# Altium PCB OZ440-SE110-CAR001.PcbDoc (part 2 of 2)
Units mm, origin at the board's own origin, x right, y up, seen from the top; angles counter-clockwise.
Board outline 181.1 x 89.8 mm, 4 copper layers (Top Layer, Mid-Layer 1, Mid-Layer 2, Bottom Layer), stack 1.448 mm thick; 81 components, 74 nets, 400 pads, 570 vias.
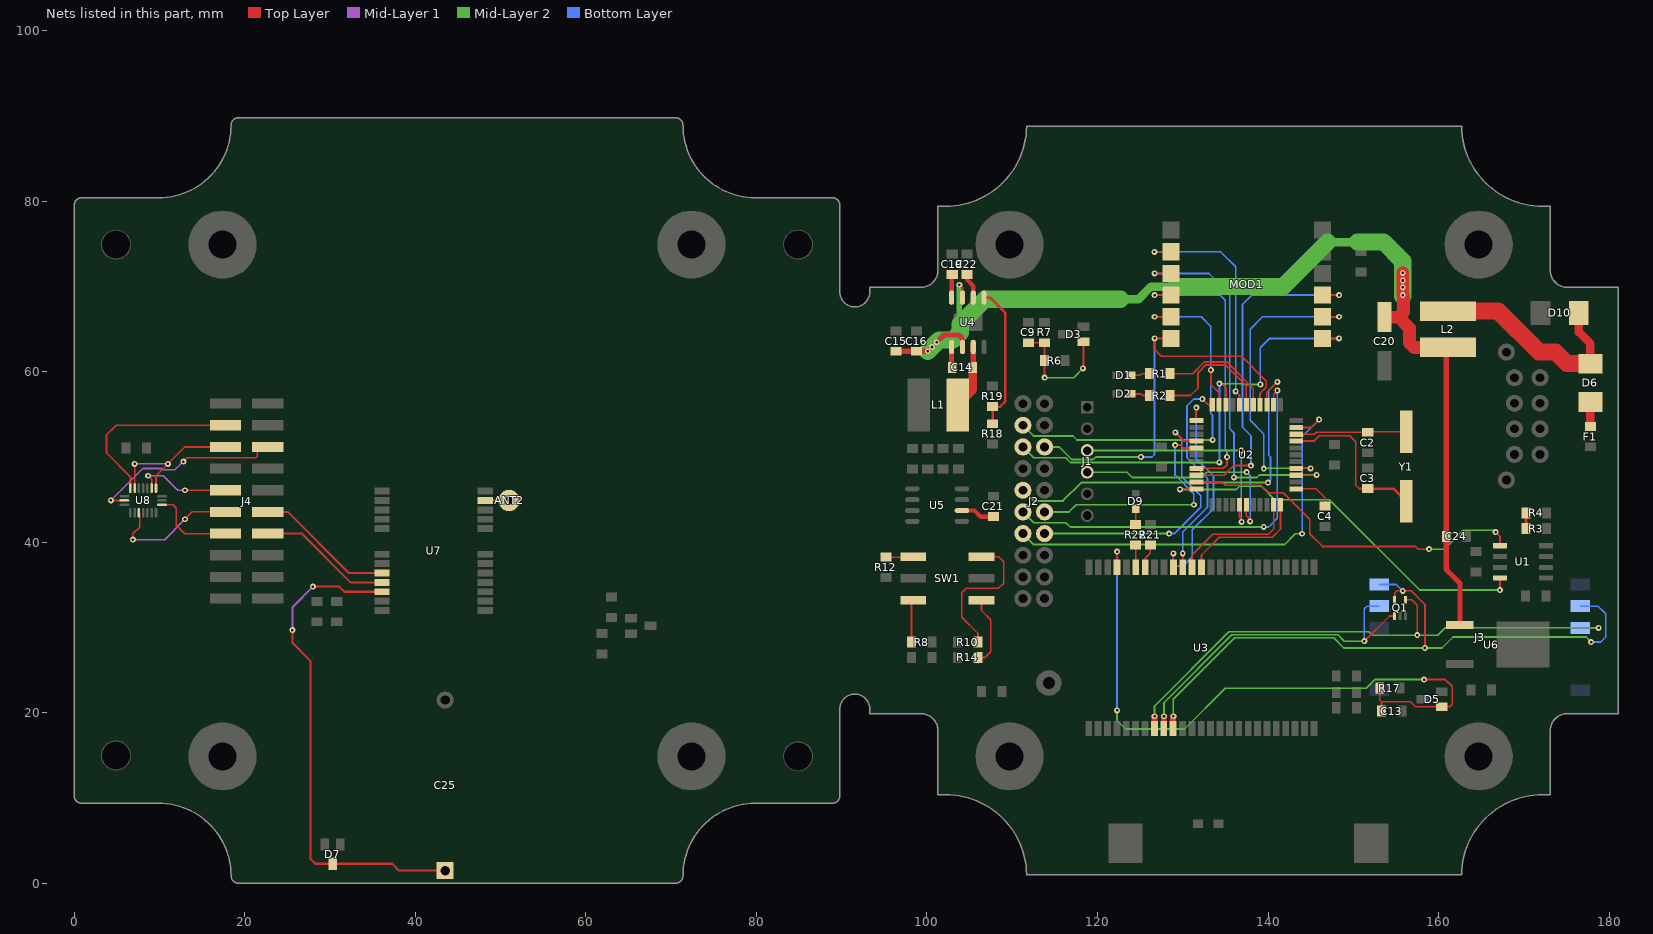
[diagram p4: the nets of this part, all layers, seen from the top]

## Via types
v1: diameter 0.7, hole 0.3, Top Layer to Bottom Layer, 444 vias
v2: diameter 0.7, hole 0.3, Top Layer to Bottom Layer, tented both sides, 74 vias
v3: diameter 0.7, hole 0.3, Top Layer to Bottom Layer, tented top, 39 vias
v4: diameter 0.8, hole 0.5, Top Layer to Bottom Layer, tented both sides, 12 vias
v5: diameter 0.6, hole 0.3, Top Layer to Bottom Layer, 1 vias

## Nets (pads, with @x,y where several pads share a name; then routed paths per layer and width w, separated by ;. In a path a pad name is that pad's centre, name@x,y a point inside that pad or via, vN(x,y) a via of type N, cw(c..) or ccw(c..) an arc to the next point about the centre after c; other vN are vias at no path point) (continued)
GSM_RESET_1: C13.2 D5.1 R17.1 U3.22 | length 77.6
  Top Layer w0.2: U3.22@122.3,37.06 v1(122.3,38.9) ; R17.1@153.1,22.9 153.1,21.5 153.3,21.3 ; C13.2@153.3,20.2 153.3,21.3 ; v1(158.3,23.9) 160.8,23.9 161.6,23.1 161.6,21 161.3,20.7 D5.1@160.375,20.7 157.3,20.7 156.7,21.3 153.3,21.3
  Mid-Layer 2 w0.2: v2(122.3,20.3) 122.3,19.1 123.3,18.1 130.2,18.1 135,22.9 151.5,22.9 152.5,23.9 v1(158.3,23.9)
  Bottom Layer w0.2: v2(122.3,20.3) v1(122.3,38.9)
IO_SIM_1: J3.C7 Q1.4 U3.33 | length 66.1
  Top Layer w0.2: Q1.4@156.15,33.25 156.85,33.25 157.5,32.6 v1(157.5,29.1)
  Top Layer w0.7: U3.33@126.675,18.16 126.675,19.575 v2(126.7,19.6)
  Mid-Layer 2 w0.2: v2(126.7,19.6) 126.7,20.8 135.4,29.5 151.8,29.5 152.2,29.1 v1(157.5,29.1) 159.9,29.1 160.772,29.972 v1(178.772,29.972)
  Bottom Layer w0.2: J3.C7@176.61,29.972 v1(178.772,29.972)
ISM_IRQ0_1: MOD1.4 U2.8 | length 33.6
  Top Layer w0.2: v1(126.7,68.986) MOD1.4@128.626,68.986 ; U2.8@131.615,48.667 134.767,48.667 135.2,49.1 v1(135.2,50)
  Bottom Layer w0.2: v1(126.7,68.986) 134.414,68.986 135,68.4 135,50.9 135.2,50.7 v1(135.2,50)
ISM_IRQ1_1: MOD1.9 U2.9 | length 39.9
  Top Layer w0.2: U2.9@131.615,47.867 134.867,47.867 136,49 v1(138,49) ; MOD1.9@146.406,68.986 v1(148.331,68.986)
  Bottom Layer w0.2: v1(138,49) 138,52.5 137,53.5 137,67.9 138.086,68.986 v1(148.331,68.986)
ISM_RESET_1: MOD1.2 U2.40 | length 28.6
  Top Layer w0.2: v1(126.675,74.066) MOD1.2@128.626,74.066 ; v1(136.2,57.7) 136.235,57.7 136.665,57.27 U2.40@136.665,56.117
  Bottom Layer w0.2: v1(126.675,74.066) 134.434,74.066 136.2,72.3 v1(136.2,57.7)
NetANT2_1: ANT2.1 U7.11 | length 2.8
  Top Layer w0.3: U7.11@48.2,44.904 ANT2.1@50.996,44.904
NetC2_2: C2.2 U2.31 Y1.2 | length 13
  Top Layer w0.2: U2.31@143.315,52.667 145.441,52.667 145.675,52.9 C2.2@151.7,52.9 151.75,52.95 Y1.2@156.2,52.95
NetC3_2: C3.2 U2.30 Y1.1 | length 19.3
  Top Layer w0.2: U2.30@143.315,51.867 145.367,51.867 146,52.5 149.6,52.5 150.3,51.8 150.3,46.667 150.667,46.3 C3.2@151.7,46.3
  Top Layer w0.3: C3.2@151.7,46.3 154.7,46.3 Y1.1@156.2,44.8
NetC4_1: C4.1 U2.23 | length 4.8
  Top Layer w0.2: U2.23@143.315,46.267 145.633,46.267 146.7,45.2 C4.1@146.7,44.249
NetC9_2: C9.2 D3.1 R6.1 R7.1 | length 14.1
  Top Layer w0.2: C9.2@111.9,63.4 R7.1@113.8,63.4 R6.1@113.8,61.3 v1(113.8,59.3) ; v1(118.3,60.4) 118.375,60.475 D3.1@118.375,63.5
  Mid-Layer 2 w0.2: v1(113.8,59.3) 117.2,59.3 v1(118.3,60.4)
NetC14_1: C14.1 U4.1 | length 2.4
  Top Layer w0.6: U4.1@102.9,62.9 102.9,60.57 C14.1@102.97,60.5
NetC14_2: C14.2 L1.1 U4.3 | length 7.5
  Top Layer w0.6: C14.2@105.44,60.57 U4.3@105.44,62.9
  Top Layer w1: L1.1@103.6,56.1 105.37,57.87 C14.2@105.37,60.5
NetC15_1: C15.1 C16.1 C20.1 C24.2 L2.2 U4.2 U4.7 U6.1 | length 135
  Top Layer w0.3: v1(103.8,70.2) 104.17,69.83 U4.7@104.17,68.7
  Top Layer w0.6: C15.1@96.4,62.4 C16.1@98.8,62.4 v1(100.1,62.4) v1(101.15,63.45) 102,64.3 103.5,64.3 cw(c103.5,63.63) 104.17,63.63 U4.2@104.17,62.9 ; L2.2@160.7,62.85 L2.2@160.9,62.65 ; L2.2@161.1,62.85 L2.2@160.9,62.65 ; U6.1@162.5,30.3 162.5,35.2 160.9,36.8 C24.2@160.9,40.7 L2.2@160.9,62.65
  Top Layer w1.5: C20.1@153.66,66.4 155.3,66.4 ; v1(155.8,68.986) v1(155.8,69.9) v1(155.8,70.7) v1(155.8,71.6) ; v1@155.9,68.886 155.9,67 155.3,66.4 ; L2.2@160.7,62.85 157.134,62.85 156.6,63.384 156.6,65.1 155.3,66.4
  Mid-Layer 2 w0.6: v1(101.15,63.45) 102.55,63.45 102.8,63.7 103.8,64.7 v1(103.8,70.2)
  Mid-Layer 2 w1: 122.7,68.5 124.799,68.5 126.286,69.986 129.186,69.986 ; 147,75.2 150.5,75.2
  Mid-Layer 2 w2: v1(100.1,62.4) v1(101.15,63.45) 101.4,63.7 102.8,63.7 103.031,63.7 103.91,64.579 103.91,65.61 106.8,68.5 122.7,68.5 ; 129.186,69.986 141.786,69.986 147,75.2 ; 150.5,75.2 153.561,75.2 155.8,72.961 v1(155.8,71.6) v1(155.8,70.7) v1(155.8,69.9) v1(155.8,68.986) v1@155.8,68.9
  other v1: 100.6,62.9
NetC19_2: C19.2 U4.8 | length 2.7
  Top Layer w0.5: U4.8@102.9,68.7 102.9,71.33 C19.2@102.97,71.4
NetC21_2: C21.2 U5.6 | length 4
  Top Layer w0.5: U5.6@104.1,43.727 105.573,43.727 106.3,43 C21.2@107.8,43
NetC22_2: C22.2 U4.6 | length 3
  Top Layer w0.5: C22.2@104.7,71.4 104.7,70.8 105.44,70.06 U4.6@105.44,68.7
NetC25_1: C25.1 D7.3 U7.22 | length 58.5
  Top Layer w0.25: v1(25.6,29.7) 25.6,28.2 27.7,26.1 27.7,2.9 28.3,2.3 D7.3@30.3,2.3 37.3,2.3 38.1,1.5 C25.1@43.5,1.5 ; v1(28,34.8) 31.1,34.8 31.7,34.2 U7.22@36.1,34.2
  Mid-Layer 1 w0.25: v1(25.6,29.7) 25.6,32.4 v1(28,34.8)
NetD1_1: D1.1 R1.2 | length 2.2
  Top Layer w0.2: D1.1@124,59.59 124.99,59.59 125.179,59.779 R1.2@126.1,59.779
NetD2_1: D2.1 R2.2 | length 2.2
  Top Layer w0.2: D2.1@124,57.4 125.1,57.4 125.289,57.211 R2.2@126.1,57.211
NetD6_A: D6.A F1.2 | length 2.8
  Top Layer w1: F1.2@177.8,53.6 D6.A@177.8,56.45
NetD6_K: D6.K D10.K L2.1 | length 25.8
  Top Layer w1: D10.K@176.45,66.9 176.45,64.65 177.8,63.3 D6.K@177.8,60.95
  Top Layer w2: L2.1@161.1,67.1 167,67.1 171.8,62.3 173.7,62.3 175.05,60.95 D6.K@177.8,60.95
NetD9_1: D9.1 R22.1 | length 1.8
  Top Layer w0.2: R22.1@124.5,42.125 D9.1@124.5,43.9
NetR1_1: R1.1 U2.38 | length 13.5
  Top Layer w0.2: R1.1@128.5,59.779 131.184,59.779 132.555,61.15 135.145,61.15 138.265,58.03 U2.38@138.265,56.117
NetR2_1: R2.1 U2.39 | length 14.7
  Top Layer w0.2: R2.1@128.5,57.211 130.911,57.211 131.8,58.1 131.8,59.9 132.7,60.8 135,60.8 137.465,58.335 U2.39@137.465,56.117
NetR3_1: R3.1 R4.2 | length 1.8
  Top Layer w0.3: R3.1@170.25,41.604 R4.2@170.25,43.454
NetR8_1: R8.1 SW1.8 | length 5.3
  Top Layer w0.2: R8.1@98.415,28.515 R8.1@98.2,28.3 98.2,33.005 SW1.8@98.415,33.22
NetR10_1: R10.1 SW1.4 | length 17.3
  Top Layer w0.2: R10.1@106,28.3 106,29.3 104.1,31.2 104.1,34.1 104.6,34.6 108.4,34.6 109,35.2 109,37.7 108.4,38.3 SW1.4@106.4,38.3
NetR12_1: R12.1 SW1.2 | length 3.2
  Top Layer w0.2: R12.1@95.2,38.26 SW1.2@98.375,38.26
NetR14_1: R14.1 SW1.1 | length 8.3
  Top Layer w0.2: R14.1@106,26.5 106.826,26.5 107.5,27.174 107.5,30.9 106.4,32 SW1.1@106.4,33.22
NetR18_1: R18.1 R19.2 U4.5 | length 17.4
  Top Layer w0.3: U4.5@106.71,68.7 107.4,68.7 109.2,66.9 109.2,56.5 108.6,55.9 R19.2@107.7,55.9 R18.1@107.7,53.9
NetR21_1: R21.1 U3.19 | length 2.9
  Top Layer w0.2: U3.19@125.6,37.06 125.6,38.125 126.2,38.725 R21.1@126.2,39.7
NetR22_2: R22.2 U3.20 | length 2.6
  Top Layer w0.2: U3.20@124.475,37.085 R22.2@124.475,39.7
PGC_1: J1.3 U2.16 | length 28.5
  Top Layer w0.2: U2.16@136.665,44.417 136.665,43.1 v1(136.9,42.4)
  Mid-Layer 2 w0.2: J1.3@118.8,50.76 v1(136.86,50.76)
  Bottom Layer w0.2: v1(136.86,50.76) 136.86,42.44 v1(136.9,42.4)
PGD_1: J1.4 U2.17 | length 27.3
  Top Layer w0.2: U2.17@137.465,44.417 137.465,43.135 137.9,42.7 v1(137.9,42.457)
  Mid-Layer 2 w0.2: J1.4@118.8,48.22 123.47,48.22 124.09,47.6 132.19,47.6 132.81,48.22 v1@137.48,48.22
  Bottom Layer w0.2: v1(137.5,48.22) 137.9,47.82 v1(137.9,42.457)
RST_SIM_1: J3.C2 Q1.1 U3.34 | length 40.6
  Top Layer w0.2: v1(151.3,28.4) 154.25,31.35 Q1.1@154.85,31.35
  Top Layer w0.7: U3.34@127.775,18.16 127.775,19.575 v2(127.8,19.6)
  Mid-Layer 2 w0.2: v2(127.8,19.6) 127.8,21.2 135.75,29.15 148.2,29.15 148.95,28.4 v1(151.3,28.4)
  Bottom Layer w0.2: v1(151.3,28.4) 151.3,32.2 151.612,32.512 J3.C2@153.06,32.512
RX_CAN_1: U1.4 U2.11 | length 46.1
  Top Layer w0.2: v1(129.68,46.2) 129.7,46.2 129.767,46.267 U2.11@131.615,46.267 ; v1(167.2,34.4) U1.4@167.2,35.79
  Mid-Layer 2 w0.2: v1(129.68,46.2) 136.3,46.2 136.7,46.6 139.2,46.6 140.8,45 147.2,45 157.8,34.4 v1(167.2,34.4)
SPI_CS_ACCEL_1: J2.12 U2.36 | length 45.8
  Top Layer w0.2: U2.36@139.865,56.117 139.865,57.565 v1(141.1,58.8)
  Mid-Layer 2 w0.2: J2.12@111.26,46.1 112.51,44.85 115.95,44.85 118.1,47 v1(140,47)
  Bottom Layer w0.2: v1(140,47) 140.3,47.3 140.3,50.006 140.1,50.206 140.1,57.8 v1(141.1,58.8)
SPI_CS_ACCEL_MEZZ_1: J4.12 U8.16 | length 10.2
  Top Layer w0.15: v1(8.684,47.8) 9.1,47.384 U8.16@9.1,46.354 ; v1(13,46.1) J4.12@16.537,46.1
  Mid-Layer 1 w0.15: v1(8.684,47.8) 10.456,47.8 12.156,46.1 v1(13,46.1)
SPI_CS_GYRO_1: J2.10 U2.35 | length 47.8
  Top Layer w0.2: U2.35@140.665,56.117 140.665,57.365 v1(141.1,57.8)
  Mid-Layer 2 w0.2: J2.10@111.26,43.56 112.52,42.3 116.3,42.3 116.8,41.8 v1(139.5,41.8)
  Bottom Layer w0.2: v1(139.5,41.8) 140.1,41.8 141.1,42.8 v1(141.1,57.8)
SPI_CS_GYRO_MEZZ_1: J4.10 U8.5 | length 14.5
  Top Layer w0.15: v1(6.9,40.3) 6.9,41 7.675,41.775 7.675,43.379 U8.5@7.6,43.454 ; v1(13,42.7) 13.861,43.561 J4.10@16.538,43.561
  Mid-Layer 1 w0.15: v1(6.9,40.3) 10.6,40.3 v1(13,42.7)
SPI_CS_ISM_CON_1: MOD1.3 U2.25 | length 45.7
  Top Layer w0.2: v1(126.7,71.526) MOD1.3@128.626,71.526 ; U2.25@143.315,47.867 145.667,47.867 v1(145.7,47.9)
  Mid-Layer 2 w0.2: v1(136,47.6) 138.7,47.6 139,47.9 v1(145.7,47.9)
  Bottom Layer w0.2: v1(126.7,71.526) 133.074,71.526 135.5,69.1 135.5,53.35 136,52.85 v1(136,47.6)
SPI_CS_ISM_DAT_1: MOD1.8 U2.26 | length 37.2
  Top Layer w0.2: U2.26@143.315,48.667 v1(145,48.667) ; MOD1.8@146.406,66.446 v1(148.331,66.446)
  Mid-Layer 2 w0.2: v1(139.5,48.641) 139.526,48.667 v1(145,48.667)
  Bottom Layer w0.2: v1(139.5,48.641) 139.5,52.7 137.9,54.3 137.9,65 139.346,66.446 v1(148.331,66.446)
SPI_CS_MAGNET_1: J2.8 U2.32 | length 51.1
  Top Layer w0.2: U2.32@143.315,53.467 145.067,53.467 v1(146,54.4)
  Mid-Layer 2 w0.2: J2.8@111.26,41.02 112.55,39.73 141.93,39.73 143.2,41 v1(144,41)
  Bottom Layer w0.2: v1(144,41) 144,52.4 v1(146,54.4)
SPI_CS_MAGNET_MEZZ_1: J4.8 U8.20 | length 8.8
  Top Layer w0.15: U8.20@10.3,44.404 11.596,44.404 12,44 12,42 12.979,41.021 J4.8@16.538,41.021
SPI_MISO_1: J2.16 MOD1.7 U2.42 | length 56.8
  Top Layer w0.2: v1(134.3,58.6) 134.6,58.6 135.065,58.135 U2.42@135.065,56.117 ; MOD1.7@146.406,63.906 v1(148.331,63.906)
  Mid-Layer 2 w0.2: J2.16@111.26,51.18 112.54,49.9 116.299,49.9 116.836,49.363 134.3,49.363 v1(134.3,49.367) ; v1(134.3,58.6) 137.1,58.6 137.2,58.5 v1(139.1,58.5)
  Bottom Layer w0.2: v1(134.3,49.367) v1(134.3,58.6) ; v1(139.1,58.5) 139.1,62.8 140.206,63.906 v1(148.331,63.906)
SPI_MISO_MEZZ_1: J4.16 U8.12 U8.17 | length 16.5
  Top Layer w0.2: U8.12@7.1,46.354 v1(7.1,49.2) ; U8.17@9.6,46.354 9.6,47.8 v1(11,49.2) 12.981,51.181 J4.16@16.538,51.181
  Mid-Layer 1 w0.2: v1(7.1,49.2) v1(11,49.2)
SPI_MOSI_1: J2.18 MOD1.5 U2.43 | length 49.8
  Top Layer w0.2: v1(126.7,66.446) MOD1.5@128.626,66.446 ; v1(133.3,60.2) 133.3,58.5 134.265,57.535 U2.43@134.265,56.117
  Mid-Layer 2 w0.2: J2.18@111.26,53.72 112.51,52.47 117.13,52.47 117.6,52 v1(133.5,52)
  Bottom Layer w0.2: v1(126.7,66.446) 132.154,66.446 133.3,65.3 v1(133.3,60.2) 133.3,55.1 133.5,54.9 v1(133.5,52)
SPI_MOSI_MEZZ_1: J4.18 U8.11 | length 20.6
  Top Layer w0.2: U8.11@6.6,46.354 6.6,47.684 3.8,50.484 3.8,52.6 4.921,53.721 J4.18@16.538,53.721
SPI_SCK_1: J2.15 MOD1.6 U2.37 | length 48.3
  Top Layer w0.2: MOD1.6@128.626,63.906 v1(126.7,63.906) 126.7,62.6 127.5,61.8 136.9,61.8 139.8,58.9 139.8,58.2 139.065,57.465 U2.37@139.065,56.117
  Mid-Layer 2 w0.2: J2.15@113.8,51.18 115.514,51.18 116.981,49.713 119.5,49.713 119.787,50 v1(125.1,50)
  Bottom Layer w0.2: v1(125.1,50) 126.4,50 126.7,50.3 v1(126.7,63.906)
SPI_SCK_MEZZ_1: J4.15 U8.9 | length 22.2
  Top Layer w0.2: v1(4.3,44.904) U8.9@5.9,44.904 ; v1(12.8,49.467) 13.233,49.9 21.3,49.9 21.488,50.088 J4.15@21.488,51.181
  Mid-Layer 1 w0.2: v1(4.3,44.904) 8.045,48.649 10.251,48.649 10.4,48.5 11.833,48.5 v1(12.8,49.467)
TX_CAN_1: U1.1 U2.10 | length 42.9
  Top Layer w0.2: U2.10@131.615,47.067 134.633,47.067 135,46.7 139.167,46.7 140.067,45.8 141.8,45.8 144.9,42.7 144.9,41 146.4,39.5 157.3,39.5 157.6,39.2 v1(158.9,39.2) ; v1@166.8,41.3 v1(166.7,41.2) 167.2,40.7 U1.1@167.2,39.6
  Mid-Layer 2 w0.2: v1(158.9,39.2) 160.7,39.2 162.9,41.4 166.4,41.4 166.8,41 166.8,41.3 v1(166.7,41.2)
USART1_CTS_1: U2.21 U3.14 | length 15.1
  Top Layer w0.2: U3.14@131.1,37.06 131.1,38.525 133.525,40.95 140.05,40.95 140.665,41.565 U2.21@140.665,44.417
USART1_RTS_1: U2.22 U3.13 | length 14.8
  Top Layer w0.2: U3.13@132.2,37.06 132.2,38.5 134.3,40.6 140.5,40.6 141.465,41.565 U2.22@141.465,44.417
USART1_RX_1: U2.1 U3.16 | length 26.5
  Top Layer w0.2: U3.16@128.9,37.06 v1(128.9,38.7) ; v1(131.6,55.8) 131.6,54.281 U2.1@131.615,54.267
  Bottom Layer w0.2: v1(128.9,38.7) 128.9,37.6 129.3,37.2 130,37.2 131.1,38.3 131.1,41.449 133.6,43.949 133.6,47.8 131.6,49.8 v1(131.6,55.8)
USART1_TX_1: U2.44 U3.15 | length 24.7
  Top Layer w0.2: U3.15@130,37.06 v2(130,38.7) ; v1(132.3,56.8) 132.983,56.117 U2.44@133.465,56.117
  Bottom Layer w0.2: v2(130,38.7) 130,41.2 132.9,44.1 132.9,47.5 130.5,49.9 130.5,56 131.3,56.8 v1(132.3,56.8)
USART2_RX_1: J2.9 U2.5 | length 28.4
  Top Layer w0.2: v1(129.1,51.4) 129.68,51.4 130.013,51.067 U2.5@131.615,51.067
  Mid-Layer 2 w0.2: J2.9@113.8,43.56 116.66,43.56 117.5,44.4 v1(131.3,44.4)
  Bottom Layer w0.2: v1(129.1,51.4) 129.1,47.9 131.3,45.7 v1(131.3,44.4)
USART2_RX_MEZZ_1: J4.9 U7.20 | length 17.6
  Top Layer w0.25: J4.9@21.488,43.561 25.039,43.561 32.2,36.4 U7.20@36.1,36.4
USART2_TX_1: J2.7 U2.4 | length 32.5
  Top Layer w0.2: v1(129.139,52.9) 130.173,51.867 U2.4@131.615,51.867
  Mid-Layer 2 w0.2: J2.7@113.8,41.02 v1(128.4,41.02)
  Bottom Layer w0.2: v1(128.4,41.02) 129.02,41.02 132.1,44.1 132.1,45.475 129.9,47.675 129.9,52.139 v1(129.139,52.9)
USART2_TX_MEZZ_1: J4.7 U7.21 | length 17
  Top Layer w0.25: J4.7@21.488,41.021 26.679,41.021 32.4,35.3 U7.21@36.1,35.3
VSIM_1: J3.C1 J3.C6 Q1.5 U3.35 | length 78
  Top Layer w0.2: Q1.5@154.85,33.25 154.85,34.05 155.1,34.3 v1(155.8,34.3) 156.8,34.3 158.4,32.7 v1(158.4,27.6)
  Top Layer w0.7: U3.35@128.875,18.16 128.875,19.575 v2(128.9,19.6)
  Mid-Layer 2 w0.2: v2(128.9,19.6) 128.9,21.6 136.1,28.8 147.7,28.8 148.9,27.6 v1(158.4,27.6) 160.4,27.6 161.7,28.9 177.3,28.9 v1(177.9,28.3)
  Bottom Layer w0.2: J3.C1@153.06,35.052 155.048,35.052 v1(155.8,34.3) ; J3.C6@176.61,32.512 178.688,32.512 179.6,31.6 179.6,28.9 179,28.3 v1(177.9,28.3)
pads on no net: ANT1.MEC1 ANT1.MEC2 D3.2 D5.2 D7.2 D8.2 J1.5 J2.19 J3.C4 J3.C8 J4.19 P1.3 P1.4 P1.5 P1.6 P1.FIX1 P1.FIX2 U2.2 U2.3 U2.12 U2.13 U2.14 U2.15 U2.20 U2.24 U2.27 U2.33 U2.34 U2.41 U3.2 U3.4 U3.5 U3.9 U3.10 U3.11 U3.18 U3.21 U3.23 U3.24 U3.26 U3.27 U3.28 U3.29 U3.30 U3.31 U3.37 U3.38 U3.39 U3.40 U3.41 U3.42 U3.43 U3.44 U5.5 U7.1 U7.2 U7.3 U7.4 U7.5 U7.6 U7.9 U7.14 U7.15 U7.16 U7.17 U7.18 U7.19 U8.1 U8.2 U8.8 U8.10 U8.14 U8.15 U8.18 U8.19
copper on no net:
  other v4: 91.5,22.6 91.5,23.4 91.5,24.2 91.5,25 91.5,25.8 91.5,26.6 91.5,63.2 91.5,64 91.5,64.8 91.5,65.6 91.5,66.4 91.5,67.2

## Polygon pours and split planes (outlines as drawn)
3V on Mid-Layer 2 "Top Layer-No Net" (solid, pour order 25): 105.2,46.571 105.2,58 113.2,66 146.9,66 146.9,61.2 114.2,61.2 109.2,56.2 109.2,46.571
4V on Mid-Layer 2 "Top Layer-No Net" (solid, pour order 21): 94.6,51.9 96.7,51.9 96.7,51.2 96.7,33 99.7,30 121.1,30 121.3,30 125.3,34 126.352,35.052 145.5,35.052 145.5,31.2 145.5,31 141.2,31 130.3,31 127.5,28.2 125.1,25.8 107.5,25.8 97.6,25.8 94,29.4 94,51.9
GND_MEZZ on Mid-Layer 2 "Top Layer-No Net" (solid, pour order 13): 9.9,9.336 cw(c9.9,0.9) 18.336,0.9 cw(c9.9,0.9) 18.336,0.897 ccw(c19.296,0.896) 18.336,0.897 ccw(c19.296,0.896) 19.296,-0.064 ccw(c19.296,0) 19.296,-0.064 70.503,-0.064 ccw(c70.503,0) 70.503,-0.064 ccw(c70.503,0.896) 71.463,0.896 ccw(c70.503,0.896) 71.463,0.896 ccw(c70.503,0.896) 71.463,0.897 cw(c79.9,0.9) 79.9,9.336 ccw(c79.9,9.4) 79.9,9.336 88.904,9.336 cw(c88.904,9.4) 88.903,9.336 88.904,9.336 ccw(c88.904,10.296) 89.863,10.296 ccw(c89.799,10.296) 89.862,10.307 89.862,20.404 ccw(c89.8,20.446) 89.875,20.446 ccw(c89.8,20.446) 89.863,20.488 89.863,69.352 ccw(c89.8,69.352) 89.862,69.362 89.862,79.492 ccw(c89.799,79.504) 89.863,79.504 ccw(c88.904,79.504) 88.904,80.463 ccw(c88.904,80.399) 88.903,80.463 79.9,80.463 cw(c79.9,80.399) 79.9,80.463 cw(c79.9,88.9) 71.463,88.903 ccw(c71.399,88.903) 71.463,88.903 ccw(c71.399,88.903) 71.463,88.903 cw(c70.503,88.903) 71.463,88.903 cw(c70.503,88.903) 71.463,88.903 ccw(c70.503,88.903) 70.503,89.863 ccw(c70.503,88.903) 70.503,89.863 19.296,89.863 ccw(c19.296,89.799) 19.296,89.863 ccw(c19.296,88.903) 18.336,88.903 ccw(c19.296,88.903) 18.336,88.902 cw(c9.9,88.9) 18.336,88.9 cw(c9.9,88.9) 9.9,80.463 ccw(c9.9,80.399) 9.899,80.463 0.896,80.463 ccw(c0.896,79.504) -0.064,79.504 -0.064,10.296 ccw(c0.896,10.296) 0.896,9.336 ccw(c0.896,9.4) 0.896,9.336
4V on Bottom Layer "Top Layer-No Net" (solid, pour order 23): 145.5,35.052 145.5,31.6 149.2,27.9 149.3,27.8 149.3,25.4 149.3,25 146.8,25 146.8,27.8 143,31.6 143,35.052
GND_MEZZ on Bottom Layer "Top Layer-No Net" (solid, pour order 10): 9.9,9.336 cw(c9.9,0.9) 18.336,0.9 cw(c9.9,0.9) 18.336,0.897 ccw(c19.296,0.896) 18.336,0.897 ccw(c19.296,0.896) 19.296,-0.064 ccw(c19.296,0) 19.296,-0.064 70.503,-0.064 ccw(c70.503,0) 70.503,-0.064 ccw(c70.503,0.896) 71.463,0.896 ccw(c70.503,0.896) 71.463,0.896 ccw(c70.503,0.896) 71.463,0.897 cw(c79.9,0.9) 79.9,9.336 ccw(c79.9,9.4) 79.9,9.336 88.904,9.336 cw(c88.904,9.4) 88.903,9.336 88.904,9.336 ccw(c88.904,10.296) 89.863,10.296 ccw(c89.799,10.296) 89.862,10.307 89.862,20.404 ccw(c89.8,20.446) 89.875,20.446 ccw(c89.8,20.446) 89.863,20.488 89.863,69.352 ccw(c89.8,69.352) 89.862,69.362 89.862,79.492 ccw(c89.799,79.504) 89.863,79.504 ccw(c88.904,79.504) 88.904,80.463 ccw(c88.904,80.399) 88.903,80.463 79.9,80.463 cw(c79.9,80.399) 79.9,80.463 cw(c79.9,88.9) 71.463,88.903 ccw(c71.399,88.903) 71.463,88.903 ccw(c71.399,88.903) 71.463,88.903 cw(c70.503,88.903) 71.463,88.903 cw(c70.503,88.903) 71.463,88.903 ccw(c70.503,88.903) 70.503,89.863 ccw(c70.503,88.903) 70.503,89.863 19.296,89.863 ccw(c19.296,89.799) 19.296,89.863 ccw(c19.296,88.903) 18.336,88.903 ccw(c19.296,88.903) 18.336,88.902 cw(c9.9,88.9) 18.336,88.9 cw(c9.9,88.9) 9.9,80.463 ccw(c9.9,80.399) 9.899,80.463 0.896,80.463 ccw(c0.896,79.504) -0.064,79.504 -0.064,10.296 ccw(c0.896,10.296) 0.896,9.336 ccw(c0.896,9.4) 0.896,9.336
GND on Bottom Layer "Top Layer-No Net" (solid, pour order 12): 94.3,69.6 94.3,57.8 113.8,57.8 113.8,69.6 94.3,69.6
GND_MEZZ on Top Layer "Top Layer-No Net" (solid, pour order 14): 44.2,43.804 48.2,43.804 49.7,42.3 49.7,41.7 50.6,40.8 53.655,40.8 55.5,42.645 55.5,47.1 53.9,48.7 48.9,48.7 45.6,46.004 44.2,46.004
GND on Top Layer "Top Layer-No Net" (solid, pour order 19): 143.315,53.467 143.348,53.5 145.9,53.5 146.2,53.8 150,53.8 152.6,56.4 157.74,56.4 158.4,55.74 158.4,41.8 157.7,41.1 154.4,41.1 149.3,46.2 149.3,51.2 149,51.467 146.367,51.467 145.967,51.067 143.315,51.067
GND on Top Layer "Top Layer-No Net" (solid, pour order 15): 101.3,10.9 173.1,10.9 173.1,17.191 171.2,19.1 102.5,19.1 101.3,17.9
GND on Top Layer "Top Layer-No Net" (solid, pour order 9): 102,66.8 102,69.1 96.3,69.1 96.3,65.9 100.8,65.9 102,64.8 107.6,64.8 107.6,61.2 108.7,61.2 108.7,66.8
GND on Mid-Layer 1 "Top Layer-No Net" (solid, pour order 16): 101.299,10.4 101.299,17.9 ccw(c99.299,17.9) 99.299,19.9 93.299,19.9 93.299,69.899 99.299,69.899 ccw(c99.299,71.899) 101.299,71.899 101.299,79.399 102.199,79.399 ccw(c102.199,88.9) 111.699,88.799 162.699,88.799 ccw(c172.199,88.9) 172.199,79.399 173.099,79.399 173.099,71.899 ccw(c175.099,71.899) 175.099,69.899 181.099,69.899 181.099,19.9 175.099,19.9 ccw(c175.099,17.9) 173.099,17.9 173.099,10.4 172.199,10.4 ccw(c172.199,0.9) 162.699,1 111.699,1 ccw(c102.199,0.9) 102.199,10.4
GND_MEZZ on Mid-Layer 1 "Top Layer-No Net" (solid, pour order 11): 9.9,9.336 cw(c9.9,0.9) 18.336,0.9 cw(c9.9,0.9) 18.336,0.897 ccw(c19.296,0.896) 18.336,0.897 ccw(c19.296,0.896) 19.296,-0.064 ccw(c19.296,0) 19.296,-0.064 70.503,-0.064 ccw(c70.503,0) 70.503,-0.064 ccw(c70.503,0.896) 71.463,0.896 ccw(c70.503,0.896) 71.463,0.896 ccw(c70.503,0.896) 71.463,0.897 cw(c79.9,0.9) 79.9,9.336 ccw(c79.9,9.4) 79.9,9.336 88.904,9.336 cw(c88.904,9.4) 88.903,9.336 88.904,9.336 ccw(c88.904,10.296) 89.863,10.296 ccw(c89.799,10.296) 89.862,10.307 89.862,20.404 ccw(c89.8,20.446) 89.875,20.446 ccw(c89.8,20.446) 89.863,20.488 89.863,69.352 ccw(c89.8,69.352) 89.862,69.362 89.862,79.492 ccw(c89.799,79.504) 89.863,79.504 ccw(c88.904,79.504) 88.904,80.463 ccw(c88.904,80.399) 88.903,80.463 79.9,80.463 cw(c79.9,80.399) 79.9,80.463 cw(c79.9,88.9) 71.463,88.903 ccw(c71.399,88.903) 71.463,88.903 ccw(c71.399,88.903) 71.463,88.903 cw(c70.503,88.903) 71.463,88.903 cw(c70.503,88.903) 71.463,88.903 ccw(c70.503,88.903) 70.503,89.863 ccw(c70.503,88.903) 70.503,89.863 19.296,89.863 ccw(c19.296,89.799) 19.296,89.863 ccw(c19.296,88.903) 18.336,88.903 ccw(c19.296,88.903) 18.336,88.902 cw(c9.9,88.9) 18.336,88.9 cw(c9.9,88.9) 9.9,80.463 ccw(c9.9,80.399) 9.899,80.463 0.896,80.463 ccw(c0.896,79.504) -0.064,79.504 -0.064,10.296 ccw(c0.896,10.296) 0.896,9.336 ccw(c0.896,9.4) 0.896,9.336

## Other copper
Top Layer:
  rectangle net 4V: 94.2,53 100.4,59.2
  rectangle net 4V: 94.2,43.4 96.86,59.2
  rectangle net 3V: 105.44,44.7 106.9,48.1
  pour cut-out: 47.1,45.7 47.1,44.1 50.1,44.1 50.1,45.7
  pour cut-out: 133,10.9 133,12.684 cw(c135.39,12.684) 133.7,14.374 133.845,14.519 cw(c135.641,12.722) 135.641,15.262 139.649,15.262 ccw(c139.649,16.749) 140.7,15.698 ccw(c140.037,16.361) 140.975,16.361 140.975,19.8 143.175,19.8 143.175,15.14 cw(c140.635,15.14) 140.635,12.6 137.2,12.6 ccw(c137.2,10.9) 135.5,10.9
  pour cut-out: 49,44.9 ccw(c51,44.9) 51,42.9 ccw(c51,44.9) 53,44.9 ccw(c51,44.9) 51,46.9 ccw(c51,44.9)
  text ".boardrevision" at 180.5,38.875 h1 r90
  text ".boardrevision" at 88.7,34.2 h1.3 r90
  text ".boardPartNumber" at 180.5,20.4 h1 r90
  text ".boardPartNumber" at 88.684,10.8 h1.3 r90
Mid-Layer 1:
  pour cut-out: 94.7,79.05 175.2,79.1 175.3,97.2 94.7,97.55
  pour cut-out: 98.65,10.9 98.65,0.6 175.15,0.6 175.15,10.9
  pour cut-out: 49,44.9 ccw(c51,44.9) 51,42.9 ccw(c51,44.9) 53,44.9 ccw(c51,44.9) 51,46.9 ccw(c51,44.9)
  text "2" at 180.1,42.9 h2 r90
Mid-Layer 2:
  pour cut-out: 49,44.9 ccw(c51,44.9) 51,42.9 ccw(c51,44.9) 53,44.9 ccw(c51,44.9) 51,46.9 ccw(c51,44.9)
  text "3" at 180.1,45.4 h2 r90
Bottom Layer:
  pour cut-out: 49.5,44.9 ccw(c51,44.9) 51,43.4 ccw(c51,44.9) 52.5,44.9 ccw(c51,44.9) 51,46.4 ccw(c51,44.9)

## Silkscreen, mask and mechanical layers (free items; w line width, h text height)
Top Overlay:
  drawing of 355 lines, arcs and shapes, not listed
  text "MOSI" at 10.2,53.4 h1
  text "MISO" at 10.1,50.7 h1
  text "SCK" at 26,50.7 h1
  text "TXD" at 128.9,39.2 h1 r45
  text "RXD" at 130.933,39.2 h1 r45
  text "RXD" at 32.2,36.1 h1
  text "GND" at 10.6,35.4 h1
  text "TXD" at 32.2,34.7 h1
  text "3V" at 11.9,32.9 h1
Bottom Overlay:
  drawing of 355 lines, arcs and shapes, not listed
Top Solder:
  rectangle: 177.105,39.576 180.915,50.244
  rectangle: 131.1,9.7 134.4,10.6
Bottom Solder:
  rectangle: 177.105,39.576 180.915,50.244
cutout:
  lines w0.125: 89.799,10.296 89.799,20.447 ; 89.799,69.353 89.799,79.504 ; 89.8,20.447 cw(c91.55,20.447) 93.3,20.447 ; 89.8,69.352 ccw(c91.55,69.352) 93.3,69.352 ; 93.299,19.9 93.299,20.447 ; 93.299,69.352 93.299,69.899 ; 89.799,28.702 ccw(c91.549,28.702) 93.299,28.702 93.299,61.097 ccw(c91.549,61.097) 89.799,61.097 89.799,28.702
  lines w0.127: 89.799,10.296 cw(c88.904,10.296) 88.904,9.4 79.9,9.4 ccw(c79.9,0.9) 71.399,0.897 cw(c70.503,0.896) 70.503,0 19.296,0 cw(c19.296,0.896) 18.4,0.897 ccw(c9.9,0.9) 9.9,9.4 0.896,9.4 cw(c0.896,10.296) 0,10.296 0,79.504 cw(c0.896,79.504) 0.896,80.399 9.9,80.399 ccw(c9.9,88.9) 18.4,88.903 cw(c19.296,88.903) 19.296,89.799 70.503,89.799 cw(c70.503,88.903) 71.399,88.903 ccw(c79.9,88.9) 79.9,80.399 88.904,80.399 cw(c88.904,79.504) 89.799,79.504 ; 93.299,19.9 99.299,19.9 cw(c99.299,17.9) 101.299,17.9 101.299,10.4 102.199,10.4 cw(c102.199,0.9) 111.699,1 162.699,1 cw(c172.199,0.9) 172.199,10.4 173.099,10.4 173.099,17.9 cw(c175.099,17.9) 175.099,19.9 181.099,19.9 181.099,69.899 175.099,69.899 cw(c175.099,71.899) 173.099,71.899 173.099,79.399 172.199,79.399 cw(c172.199,88.9) 162.699,88.799 111.699,88.799 cw(c102.199,88.9) 102.199,79.399 101.299,79.399 101.299,71.899 cw(c99.299,71.899) 99.299,69.899 93.299,69.899
Assy Top details:
  text ".ASsyDocumentNumber" at 216.085,-97.016 h1.52
Assy bottom details:
  text ".ASsyDocumentNumber" at -37.669,-97.281 h1.52
DXF import:
  drawing of 748 lines, arcs and shapes, not listed
Sheet format drawing:
  drawing of 2594 lines, arcs and shapes, not listed
  text "1" at -81.472,174.318 h1.78
  text "2" at -32.433,174.318 h1.78
  text "3" at 16.827,174.318 h1.78
  text "4" at 66.119,174.318 h1.78
  text "5" at 115.395,174.318 h1.78
  text "6" at 164.417,174.318 h1.78
  text "7" at 213.947,174.318 h1.78
  text "8" at 262.969,174.318 h1.78
  text "A" at -103.604,140.333 h1.78
  text "A" at 285.016,140.333 h1.78
  text "B" at -103.604,69.721 h1.78
  text "B" at 285.016,69.721 h1.78
  text "C" at -103.604,-0.891 h1.78
  text "C" at 285.016,-0.891 h1.78
  text "D" at -103.604,-70.995 h1.78
  text "D" at 285.016,-70.995 h1.78
  text "Verifie par:" at 170.081,-71.173 h1.14
  text "Nom de la carte:" at 208.181,-71.173 h1.14
  text ".VerifEngineer" at 175.707,-74.369 h1.52
  text ".boardName" at 220.187,-74.753 h1.52
  text "Nom du Projet" at 208.054,-77.523 h1.14
  text "dessine par:" at 170.081,-78.666 h1.14
  text ".projectTitle" at 220.507,-81.153 h1.52
  text ".designEngineer" at 175.899,-81.857 h1.52
  text "3 Av didier Daurat" at 138.615,-86.094 h1.52
  text "DATE:" at 170.081,-86.413 h1.14
  text "PART NO.:" at 208.181,-86.413 h1.14
  text "Revision" at 261.521,-86.413 h1.14
  text ".PRINT_DATE" at 171.351,-89.461 h1.78
  text "31400 Toulouse" at 140.546,-89.904 h1.52
  text ".boardrevision" at 261.932,-89.904 h1.52
  text ".boardPartNumber" at 216.859,-89.921 h1.52
  text "NOM DU FICHIER:" at 170.081,-94.033 h1.14
  text "Document: No:" at 208.181,-94.033 h1.14
  text "Echelle:" at 261.521,-94.033 h1.14
  text "1:1" at 267.483,-96.641 h1.52
  text ".PCB_FILE_NAME_NO_PATH" at 169.603,-97.143 h1.78
  text "1" at -81.472,-102.542 h1.78
  text "2" at -32.433,-102.542 h1.78
  text "3" at 16.827,-102.542 h1.78
  text "4" at 66.119,-102.542 h1.78
  text "5" at 115.395,-102.542 h1.78
  text "6" at 164.417,-102.542 h1.78
  text "7" at 213.947,-102.542 h1.78
  text "8" at 262.969,-102.542 h1.78
Drill Drawing:
  lines w0.2: -73.276,144.125 21.476,144.125 ; -73.276,147.81 21.476,147.81 ; -74.8,114.4 ccw(c-73.6,114.4) -73.6,113.2 21.8,113.2 ccw(c21.8,114.4) 23,114.4 23,153.1 ccw(c21.8,153.1) 21.8,154.3 -73.6,154.3 ccw(c-73.6,153.1) -74.8,153.1 -74.8,114.4
  text "Layer Stack Up Detail for: OZ440-SE110-CAR001.PcbDoc" at -73.276,149.715 h1.8
  text "Layer" at -73.276,146.435 h0.85
  text "Gerber" at -49.852,146.435 h0.85
  text "Copper" at -38.078,146.435 h0.85
  text "Dielectric" at -24.916,146.435 h0.85
  text "Dielectric" at -11.159,146.435 h0.85
  text "Dielectric" at 6.267,146.435 h0.85
  text "Name" at -73.276,144.735 h0.85
  text "Document" at -49.852,144.735 h0.85
  text "Thickness" at -38.078,144.735 h0.85
  text "Height" at -24.916,144.735 h0.85
  text "Material" at -11.159,144.735 h0.85
  text "Type" at 6.267,144.735 h0.85
  text "Top Solder Mask" at -73.276,141.88 h1.2
  text "(.GTS)" at -49.852,141.88 h1.2
  text "0.0102mm" at -24.916,141.88 h1.2
  text "Solder Resist" at -11.159,141.88 h1.2
  text "Top Layer" at -73.276,137.589 h1.2
  text "(.GTL)" at -49.852,137.589 h1.2
  text "0.0356mm" at -38.078,137.589 h1.2
  text "0.288mm" at -24.916,135.443 h1.2
  text "FR-4" at -11.159,135.443 h1.2
  text "PrePreg" at 6.267,135.443 h1.2
  text "Mid-Layer 1" at -73.276,133.298 h1.2
  text "(.G1)" at -49.852,133.298 h1.2
  text "0.0356mm" at -38.078,133.298 h1.2
  text "0.73mm" at -24.916,131.153 h1.2
  text "FR-4" at -11.159,131.153 h1.2
  text "Core" at 6.267,131.153 h1.2
  text "Mid-Layer 2" at -73.276,129.007 h1.2
  text "(.G2)" at -49.852,129.007 h1.2
  text "0.0356mm" at -38.078,129.007 h1.2
  text ".Legend" at 167.8,127.2 h1.52
  text "0.288mm" at -24.916,126.862 h1.2
  text "FR-4" at -11.159,126.862 h1.2
  text "PrePreg" at 6.267,126.862 h1.2
  text "Bottom Layer" at -73.276,124.716 h1.2
  text "(.GBL)" at -49.852,124.716 h1.2
  text "0.0356mm" at -38.078,124.716 h1.2
  text "Bottom Solder Mask" at -73.276,120.425 h1.2
  text "(.GBS)" at -49.852,120.425 h1.2
  text "0.0102mm" at -24.916,120.425 h1.2
  text "Solder Resist" at -11.159,120.425 h1.2
  text "NOTA : Toutes les dimensions en mm" at 133.275,-66.497 h1.52
  text ".DrillDocumentNumber" at 216.091,-96.961 h1.52
Sheet format drawing mirror:
  drawing of 2594 lines, arcs and shapes, not listed
  text "8" at -80.322,174.382 h1.78
  text "7" at -31.3,174.382 h1.78
  text "6" at 18.23,174.382 h1.78
  text "5" at 67.252,174.382 h1.78
  text "4" at 116.528,174.382 h1.78
  text "3" at 165.82,174.382 h1.78
  text "2" at 215.08,174.382 h1.78
  text "1" at 264.119,174.382 h1.78
  text "A" at -102.37,140.397 h1.78
  text "A" at 286.25,140.397 h1.78
  text "B" at -102.37,69.785 h1.78
  text "B" at 286.25,69.785 h1.78
  text "C" at -102.37,-0.827 h1.78
  text "C" at 286.25,-0.827 h1.78
  text "Nom de la carte:" at -24.834,-70.346 h1.14
  text "Verifie par:" at 13.266,-70.346 h1.14
  text "D" at -102.37,-70.931 h1.78
  text "D" at 286.25,-70.931 h1.78
  text ".VerifEngineer" at 6.939,-74.305 h1.52
  text ".boardName" at -37.541,-74.689 h1.52
  text "Nom du Projet" at -24.707,-76.696 h1.14
  text "dessine par:" at 13.266,-77.839 h1.14
  text ".projectTitle" at -37.861,-81.089 h1.52
  text ".designEngineer" at 6.747,-81.793 h1.52
  text "Revision" at -78.174,-85.586 h1.14
  text "PART NO.:" at -24.834,-85.586 h1.14
  text "DATE:" at 13.266,-85.586 h1.14
  text "3 Av didier Daurat" at 45.524,-87.237 h1.52
  text ".boardrevision" at -78.682,-88.507 h1.52
  text ".PRINT_DATE" at 11.295,-89.397 h1.78
  text ".boardPartNumber" at -34.213,-89.857 h1.52
  text "31400 Toulouse" at 43.594,-91.047 h1.52
  text "Echelle:" at -78.174,-93.206 h1.14
  text "Document: No:" at -24.834,-93.206 h1.14
  text "NOM DU FICHIER:" at 13.266,-93.206 h1.14
  text ".PCB_FILE_NAME_NO_PATH" at 11.295,-97.017 h1.78
  text "1:1" at -84.581,-97.217 h1.52
  text "8" at -80.322,-102.478 h1.78
  text "7" at -31.3,-102.478 h1.78
  text "6" at 18.23,-102.478 h1.78
  text "5" at 67.252,-102.478 h1.78
  text "4" at 116.528,-102.478 h1.78
  text "3" at 165.82,-102.478 h1.78
  text "2" at 215.08,-102.478 h1.78
  text "1" at 264.119,-102.478 h1.78

## Dimensions
19.296,89.799 to 19.296,0 on Drill Drawing
162.699,88.799 to 162.699,1 on Drill Drawing
93.299,69.899 to 181.099,69.899 on Drill Drawing
0,79.504 to 89.799,79.504 on Drill Drawing

## Text inside footprints (layer, text, board x,y; h text height)
ANT2: Bottom Overlay "ATTENTION!" at 66,36.7 h2 r270; Bottom Overlay "ATTENTION!" at 38.8,25.9 h2 r180; Bottom Overlay "ATTENTION!" at 28,53.1 h2 r90; Bottom Overlay "!! SENSIBLE AUX ESD !!" at 66,69.4 h2; Bottom Overlay "ne PAS toucher l'antenne sans protection" at 83.4,64.8 h2
C25: Top Overlay "+" at 41.184,0.4 h1.52 r90
MOD1: Top Overlay "ANTENNA" at 134.087,75.463 h1